# Altium PCB H616_PCB.PcbDoc (continued)
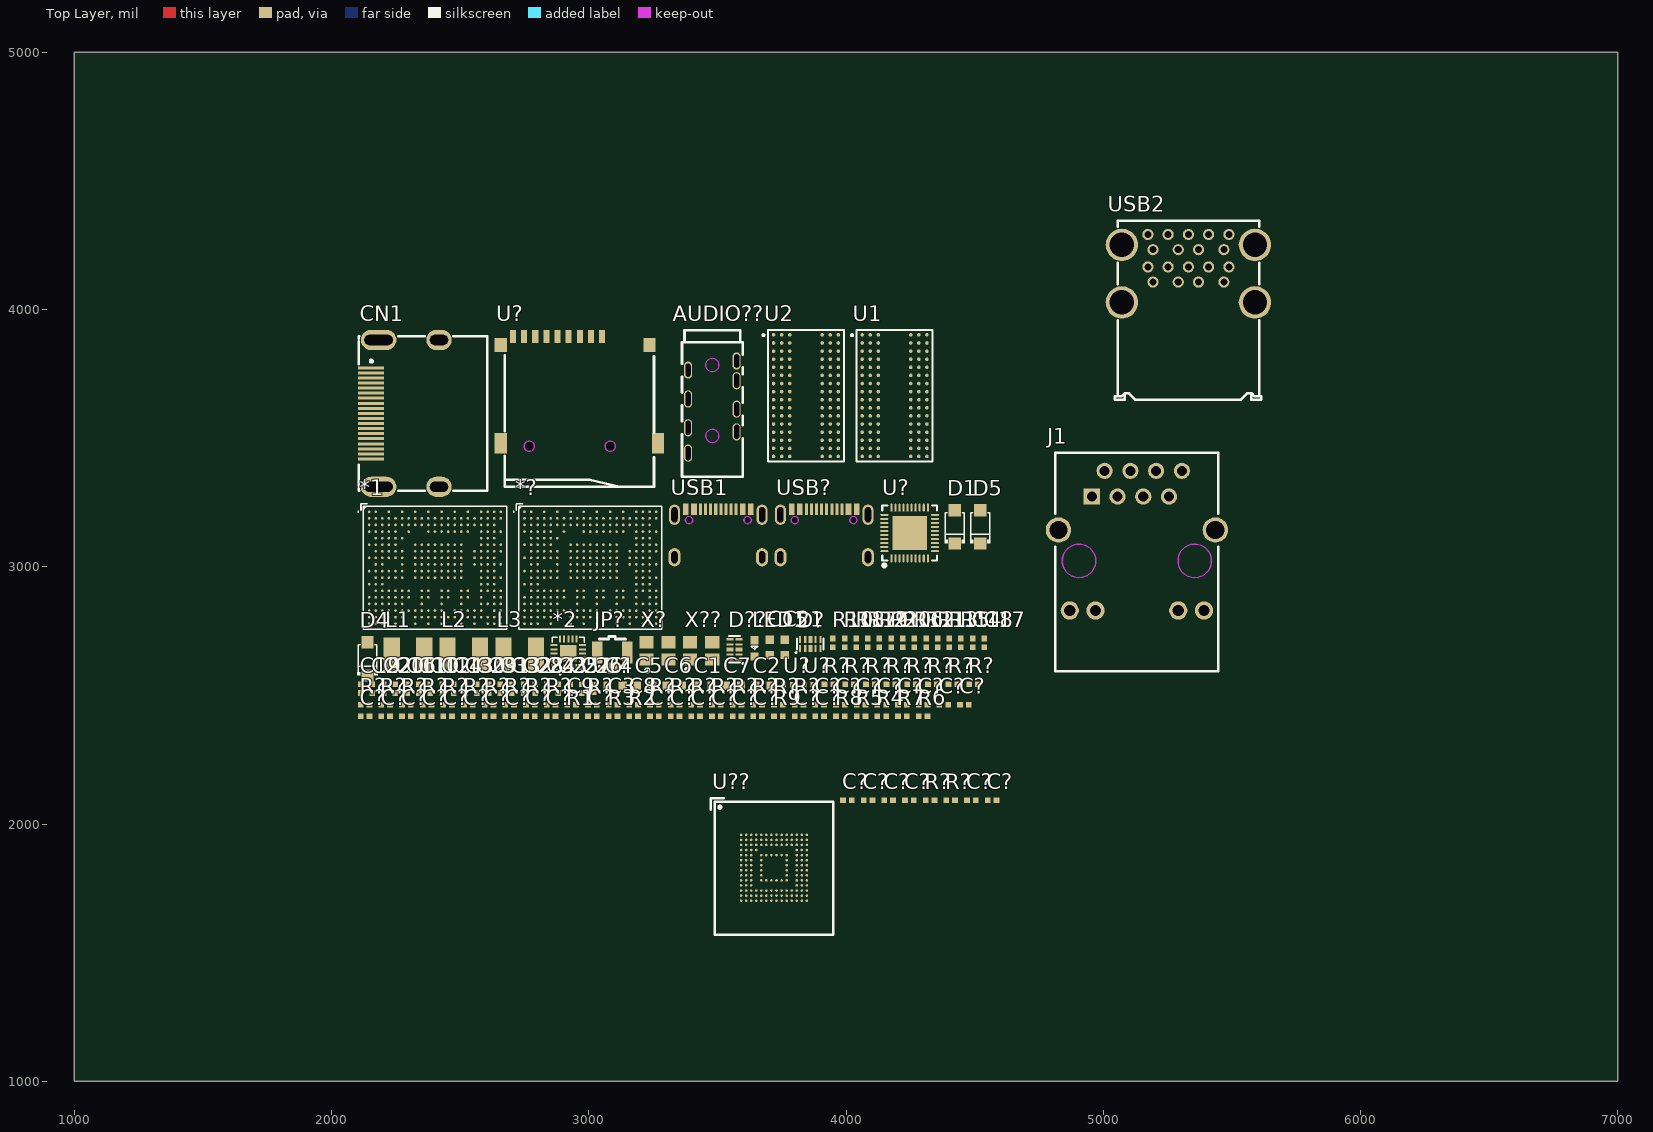
[diagram p0: Top Layer view]
## Footprints (in the part's own frame and the unit in brackets; to place one, negate y for a bottom-side part, rotate by r counter-clockwise, add the part's x,y. Pads: shape width x height; smd on the part's side, far side on the other; paste and mask are expansions set on the pad) (continued)
QFN-40_L5.0-W5.0-P0.40-BL-EP3.4 [mm]
  oval 0.2x0.8 smd paste+0 mask+0.05: 1(-1.8,-2.499) 2(-1.4,-2.499) 3(-1,-2.499) 4(-0.6,-2.499) 5(-0.2,-2.499) 6(0.2,-2.499) 7(0.6,-2.499) 8(1,-2.499) 9(1.4,-2.499) 10(1.8,-2.499) 21(1.8,2.499) 22(1.4,2.499) 23(1,2.499) 24(0.6,2.499) 25(0.2,2.499) 26(-0.2,2.499) 27(-0.6,2.499) 28(-1,2.499) 29(-1.4,2.499) 30(-1.8,2.499)
  oval 0.8x0.2 smd paste+0 mask+0.05: 11(2.499,-1.8) 12(2.499,-1.4) 13(2.499,-1) 14(2.499,-0.6) 15(2.499,-0.2) 16(2.499,0.2) 17(2.499,0.6) 18(2.499,1) 19(2.499,1.4) 20(2.499,1.8) 31(-2.499,1.8) 32(-2.499,1.4) 33(-2.499,1) 34(-2.499,0.6) 35(-2.499,0.2) 36(-2.499,-0.2) 37(-2.499,-0.6) 38(-2.499,-1) 39(-2.499,-1.4) 40(-2.499,-1.8)
  rect 3.4x3.4 smd paste+0 mask+0.05: 41(0,0)
  silkscreen extent -2.7,-3.35 2.7,2.7, body extent -2.54,-2.54 2.54,2.54, height 0.55
R0402 [mm]
  rect 0.566x0.54 smd paste-100 mask+0.051: 1(-0.433,0) 2(0.433,0)
  body extent -0.5,-0.25 0.5,0.25, height 0.35
RF-SMD_FRF05002-JSS103M [mm]
  rect 1x1.05 smd paste+0 mask+0.05: 1(0,-0.762)
  rect 1.05x2.2 smd paste+0 mask+0.05: 2(-1.475,0.762) 3(1.475,0.762)
  silkscreen extent -1.3,-0.63 1.3,2.35, body extent -1.49,-0.87 1.51,2.23, height 1.25
RJ45-TH_HR911105A [mm]
  rect 1.6x1.6 hole 1 paste-2539.97: 1(-4.45,4.355)
  round 1.6 hole 1 paste-2539.97: 2(-3.18,6.895) 3(-1.91,4.355) 4(-0.64,6.895) 5(0.63,4.355) 6(1.9,6.895) 7(3.17,4.355) 8(4.44,6.895)
  round 1.8 hole 1.1 paste-2539.97: 9(-6.625,-6.895) 10(-4.085,-6.895) 11(4.085,-6.895) 12(6.625,-6.895)
  round 2.5 hole 1.8 paste-2539.97: SH1(-7.745,1.055) SH2(7.745,1.055)
  Keep-Out Layer circle w0.003: c5.715,-1.995 r1.65
  Keep-Out Layer circle w0.003: c-5.715,-1.995 r1.65
  Keep-Out Layer region: 7.365,-1.995 7.365,-2.158 7.302,-2.476 7.177,-2.777 6.997,-3.047 6.767,-3.277 6.497,-3.457 6.196,-3.582 5.878,-3.645 5.552,-3.645 5.234,-3.582 4.933,-3.457 4.663,-3.277 4.433,-3.047 4.253,-2.777 4.128,-2.476 4.065,-2.158 4.065,-1.995 4.065,-1.833 4.128,-1.514 4.253,-1.213 4.433,-0.943 4.663,-0.713 4.933,-0.533 5.234,-0.408 5.552,-0.345 5.878,-0.345 6.196,-0.408 6.497,-0.533 6.767,-0.713 6.997,-0.943 7.177,-1.213 7.302,-1.514 7.365,-1.833 7.365,-1.995 7.365,-1.995
  Keep-Out Layer region: 7.365,-1.995 7.365,-2.158 7.302,-2.476 7.177,-2.777 6.997,-3.047 6.767,-3.277 6.497,-3.457 6.196,-3.582 5.878,-3.645 5.552,-3.645 5.234,-3.582 4.933,-3.457 4.663,-3.277 4.433,-3.047 4.253,-2.777 4.128,-2.476 4.065,-2.158 4.065,-1.995 4.065,-1.833 4.128,-1.514 4.253,-1.213 4.433,-0.943 4.663,-0.713 4.933,-0.533 5.234,-0.408 5.552,-0.345 5.878,-0.345 6.196,-0.408 6.497,-0.533 6.767,-0.713 6.997,-0.943 7.177,-1.213 7.302,-1.514 7.365,-1.833 7.365,-1.995 7.365,-1.995
  Keep-Out Layer region: -4.065,-1.995 -4.065,-2.158 -4.128,-2.476 -4.253,-2.777 -4.433,-3.047 -4.663,-3.277 -4.933,-3.457 -5.234,-3.582 -5.552,-3.645 -5.878,-3.645 -6.196,-3.582 -6.497,-3.457 -6.767,-3.277 -6.997,-3.047 -7.177,-2.777 -7.302,-2.476 -7.365,-2.158 -7.365,-1.995 -7.365,-1.833 -7.302,-1.514 -7.177,-1.213 -6.997,-0.943 -6.767,-0.713 -6.497,-0.533 -6.196,-0.408 -5.878,-0.345 -5.552,-0.345 -5.234,-0.408 -4.933,-0.533 -4.663,-0.713 -4.433,-0.943 -4.253,-1.213 -4.128,-1.514 -4.065,-1.833 -4.065,-1.995 -4.065,-1.995
  Keep-Out Layer region: -4.065,-1.995 -4.065,-2.158 -4.128,-2.476 -4.253,-2.777 -4.433,-3.047 -4.663,-3.277 -4.933,-3.457 -5.234,-3.582 -5.552,-3.645 -5.878,-3.645 -6.196,-3.582 -6.497,-3.457 -6.767,-3.277 -6.997,-3.047 -7.177,-2.777 -7.302,-2.476 -7.365,-2.158 -7.365,-1.995 -7.365,-1.833 -7.302,-1.514 -7.177,-1.213 -6.997,-0.943 -6.767,-0.713 -6.497,-0.533 -6.196,-0.408 -5.878,-0.345 -5.552,-0.345 -5.234,-0.408 -4.933,-0.533 -4.663,-0.713 -4.433,-0.943 -4.253,-1.213 -4.128,-1.514 -4.065,-1.833 -4.065,-1.995 -4.065,-1.995
  silkscreen extent -8.05,-12.92 8.05,8.68, body extent -8.04,-13.05 8,8.25, height 13.7
SLP2510P8_L2.5-W1.0-P0.50-BL [mm]
  rect 0.2x0.68 smd paste+0.051: 1(-1,-0.44) 2(-0.5,-0.44) 4(0.5,-0.44) 5(1,-0.44) 6(1,0.44) 7(0.5,0.44) 9(-0.5,0.44) 10(-1,0.44)
  rect 0.4x0.68 smd paste+0.051: 3(0,-0.44) 8(0,0.44)
  silkscreen extent -1.44,-0.88 1.3,0.55, body extent -1.25,-0.51 1.25,0.51, height 0.55
SOD-123FL_L2.7-W1.8-LS3.8-RD [mm]
  rect 1.2x1.2 smd paste+0.051: 1(-1.635,0) 2(1.635,0)
  silkscreen extent -1.6,-1 1.38,1, body extent -1.9,-0.9 1.9,0.9, height 1.02
TF-SMD_TF-01A [mm]
  rect 0.6x1.3 smd: 1(2.24,5.276) 2(1.14,5.276) 3(0.04,5.276) 4(-1.06,5.276) 5(-2.16,5.276) 6(-3.26,5.276) 7(-4.36,5.276) 8(-5.46,5.276) 9(-6.56,5.276)
  rect 1.2x1.4 smd: 10(-7.76,4.426) 13(6.92,4.426)
  rect 1.2x2 smd: 11(-7.76,-5.276) 12(7.76,-5.276)
  Keep-Out Layer board cut-out: -4.45,-5.566 -4.45,-5.666 -4.526,-5.849 -4.667,-5.99 -4.85,-6.066 -5.049,-6.066 -5.233,-5.99 -5.374,-5.849 -5.45,-5.666 -5.45,-5.566 -5.45,-5.467 -5.374,-5.283 -5.233,-5.142 -5.049,-5.066 -4.85,-5.066 -4.667,-5.142 -4.526,-5.283 -4.45,-5.467 -4.45,-5.566 -4.45,-5.566
  Keep-Out Layer board cut-out: 3.55,-5.566 3.55,-5.666 3.474,-5.849 3.333,-5.99 3.149,-6.066 2.951,-6.066 2.767,-5.99 2.626,-5.849 2.55,-5.666 2.55,-5.566 2.55,-5.467 2.626,-5.283 2.767,-5.142 2.951,-5.066 3.149,-5.066 3.333,-5.142 3.474,-5.283 3.55,-5.467 3.55,-5.566 3.55,-5.566
  Keep-Out Layer circle w0.025: c-4.95,-5.566 r0.5
  Keep-Out Layer circle w0.025: c3.05,-5.566 r0.5
  Keep-Out Layer region: -4.45,-5.566 -4.45,-5.666 -4.526,-5.849 -4.667,-5.99 -4.85,-6.066 -5.049,-6.066 -5.233,-5.99 -5.374,-5.849 -5.45,-5.666 -5.45,-5.566 -5.45,-5.467 -5.374,-5.283 -5.233,-5.142 -5.049,-5.066 -4.85,-5.066 -4.667,-5.142 -4.526,-5.283 -4.45,-5.467 -4.45,-5.566 -4.45,-5.566
  Keep-Out Layer region: 3.55,-5.566 3.55,-5.666 3.474,-5.849 3.333,-5.99 3.149,-6.066 2.951,-6.066 2.767,-5.99 2.626,-5.849 2.55,-5.666 2.55,-5.566 2.55,-5.467 2.626,-5.283 2.767,-5.142 2.951,-5.066 3.149,-5.066 3.333,-5.142 3.474,-5.283 3.55,-5.467 3.55,-5.566 3.55,-5.566
  silkscreen extent -7.37,-9.58 7.37,3.41, body extent -8,-9.78 7.97,5.71, height 1.92
TFBGA-96_L13.0-W7.5-R16-C6-P0.80-TL [mm]
  round 0.35 smd paste+0 mask+0.05: A1(-3.2,6) A2(-2.4,6) A3(-1.6,6) A7(1.6,6) A8(2.4,6) A9(3.2,6) B1(-3.2,5.2) B2(-2.4,5.2) B3(-1.6,5.2) B7(1.6,5.2) B8(2.4,5.2) B9(3.2,5.2) C1(-3.2,4.4) C2(-2.4,4.4) C3(-1.6,4.4) C7(1.6,4.4) C8(2.4,4.4) C9(3.2,4.4) D1(-3.2,3.6) D2(-2.4,3.6) D3(-1.6,3.6) D7(1.6,3.6) D8(2.4,3.6) D9(3.2,3.6) E1(-3.2,2.8) E2(-2.4,2.8) E3(-1.6,2.8) E7(1.6,2.8) E8(2.4,2.8) E9(3.2,2.8) F1(-3.2,2) F2(-2.4,2) F3(-1.6,2) F7(1.6,2) F8(2.4,2) F9(3.2,2) G1(-3.2,1.2) G2(-2.4,1.2) G3(-1.6,1.2) G7(1.6,1.2) G8(2.4,1.2) G9(3.2,1.2) H1(-3.2,0.4) H2(-2.4,0.4) H3(-1.6,0.4) H7(1.6,0.4) H8(2.4,0.4) H9(3.2,0.4) J1(-3.2,-0.4) J2(-2.4,-0.4) J3(-1.6,-0.4) J7(1.6,-0.4) J8(2.4,-0.4) J9(3.2,-0.4) K1(-3.2,-1.2) K2(-2.4,-1.2) K3(-1.6,-1.2) K7(1.6,-1.2) K8(2.4,-1.2) K9(3.2,-1.2) L1(-3.2,-2) L2(-2.4,-2) L3(-1.6,-2) L7(1.6,-2) L8(2.4,-2) L9(3.2,-2) M1(-3.2,-2.8) M2(-2.4,-2.8) M3(-1.6,-2.8) M7(1.6,-2.8) M8(2.4,-2.8) M9(3.2,-2.8) N1(-3.2,-3.6) N2(-2.4,-3.6) N3(-1.6,-3.6) N7(1.6,-3.6) N8(2.4,-3.6) N9(3.2,-3.6) P1(-3.2,-4.4) P2(-2.4,-4.4) P3(-1.6,-4.4) P7(1.6,-4.4) P8(2.4,-4.4) P9(3.2,-4.4) R1(-3.2,-5.2) R2(-2.4,-5.2) R3(-1.6,-5.2) R7(1.6,-5.2) R8(2.4,-5.2) R9(3.2,-5.2) T1(-3.2,-6) T2(-2.4,-6) T3(-1.6,-6) T7(1.6,-6) T8(2.4,-6) T9(3.2,-6)
  silkscreen extent -4.29,-6.5 3.75,6.5, body extent -3.68,-6.48 3.68,6.48, height 0.1
USB-A-TH_XUNPU_USB-303WSD-BRY [mm]
  round 1.1 hole 0.7 paste-2539.97 mask+0.05: 1(-3.5,-1.35) 2(-1,-1.35) 3(1,-1.35) 4(3.5,-1.35) 5(4,0.15) 6(2,0.15) 7(0,0.15) 8(-2,0.15) 9(-4,0.15) 10(-3.5,1.85) 11(-1,1.85) 12(1,1.85) 13(3.5,1.85) 14(4,3.35) 15(2,3.35) 16(0,3.35) 17(-2,3.35) 18(-4,3.35)
  round 3.2 hole 2.4 paste-2539.97 mask+0.05: 19(6.57,-3.35) 20(6.57,2.33) 21(-6.57,2.33) 22(-6.57,-3.35)
  silkscreen extent -7.26,-12.97 7.19,4.7, body extent -7.9,-12.93 7.7,4.57, height 15.96
USB-C-SMD_TYPE-C-6PIN-2MD-073 [mm]
  rect 0.55x1.1 smd paste-100 mask+0.05: 1(-3.2,3.391) 2(-2.4,3.391) 11(2.4,3.391) 12(3.2,3.391)
  rect 0.3x1.1 smd paste-100 mask+0.05: 3(-1.75,3.391) 4(-1.25,3.391) 5(-0.75,3.391) 6(-0.25,3.391) 7(0.25,3.391) 8(0.75,3.391) 9(1.25,3.391) 10(1.75,3.391)
  oval 1.2x1.8 hole 0.6 slot 1.2 at 90 deg paste-2539.97 mask+0.05: 13(-4.325,-1.359) 14(4.325,-1.359)
  oval 1.1x2 hole 0.6 slot 1.5 at 90 deg paste-2539.97 mask+0.05: 13(-4.325,2.841) 14(4.325,2.841)
  Keep-Out Layer board cut-out: 3.24,2.321 3.24,2.251 3.187,2.123 3.088,2.024 2.96,1.971 2.821,1.971 2.692,2.024 2.593,2.123 2.54,2.251 2.54,2.321 2.54,2.391 2.593,2.519 2.692,2.618 2.821,2.671 2.96,2.671 3.088,2.618 3.187,2.519 3.24,2.391 3.24,2.321 3.24,2.321
  Keep-Out Layer board cut-out: -2.54,2.321 -2.54,2.251 -2.593,2.123 -2.692,2.024 -2.82,1.971 -2.96,1.971 -3.088,2.024 -3.187,2.123 -3.24,2.251 -3.24,2.321 -3.24,2.391 -3.187,2.519 -3.088,2.618 -2.96,2.671 -2.82,2.671 -2.692,2.618 -2.593,2.519 -2.54,2.391 -2.54,2.321 -2.54,2.321
  Keep-Out Layer circle w0.025: c2.89,2.321 r0.35
  Keep-Out Layer circle w0.025: c-2.89,2.321 r0.35
  Keep-Out Layer region: 3.24,2.321 3.24,2.251 3.187,2.123 3.088,2.024 2.96,1.971 2.821,1.971 2.692,2.024 2.593,2.123 2.54,2.251 2.54,2.321 2.54,2.391 2.593,2.519 2.692,2.618 2.821,2.671 2.96,2.671 3.088,2.618 3.187,2.519 3.24,2.391 3.24,2.321 3.24,2.321
  Keep-Out Layer region: -2.54,2.321 -2.54,2.251 -2.593,2.123 -2.692,2.024 -2.82,1.971 -2.96,1.971 -3.088,2.024 -3.187,2.123 -3.24,2.251 -3.24,2.321 -3.24,2.391 -3.187,2.519 -3.088,2.618 -2.96,2.671 -2.82,2.671 -2.692,2.618 -2.593,2.519 -2.54,2.391 -2.54,2.321 -2.54,2.321
  body extent -4.48,-3.85 4.46,3.75, height 3.1

## Part data
*1 *?: "Allwinner H616", Symbol=H616-BGA-190823
*2: "AXP313A", Symbol=AXP1530
AUDIO??: "3.5mm耳机座", Symbol=PJ-3930-8A
C1 C2 C4 C5 C6 C7 C15 C21: "16V 22uF X5R ±20% 0603 Ceramic Capacitors ROHS"
C3 C? C?: "10V 4.7uF X5R ±20% 0402 Ceramic Capacitors ROHS"
C8 C? C? C? C? C? C? C? C? C? C? C?: "50V 1uF X5R ±10% 0402 Ceramic Capacitors ROHS"
C9 C10 C11 C12 C13 C14 C16 C17 C18 C19 C20 C22 C23 C24 C25 C26 C27 C28 C29 C30 C31 C32 C33 C? C? C? C?: "50V 100nF X7R ±10% 0402 Ceramic Capacitors ROHS"
C? C? C? C? C? C? C?: "50V 2.2uF NP0 0402 Ceramic Capacitors ROHS"
C? C?: "25V 470nF X5R ±10% 0402 Ceramic Capacitors ROHS"
C?: "16V 220nF X7R ±10% 0402 Ceramic Capacitors ROHS"
C? C? C? C?: "50V 22pF C0G ±5% 0402 Ceramic Capacitors ROHS"
C? C?: library part 100nF, "50V 100nF X7R ±10% 0402 Ceramic Capacitors ROHS"
CN1: "HDMI-A SMD USB, DVI, HDMI Connector Assemblies ROHS", Current Rating (Max)=-, JLCPCB Part Class="Extended Part", Manufacturer=kinghelm(金航标), Add into BOM=yes, Connector Type=HDMI-A, Convert to PCB=yes, Datasheet=https://atta.szlcsc.com/upload/public/pdf/source/20211208/D47DE7411E98B8CA58BDDFA754B04DEC.pdf, Device=KH-HDMI-19P-Cu, Gender=Mother, LCSC Part Name=KH-HDMI-19P-Cu, Manufacturer Part=KH-HDMI-19P-Cu, Mounting Style="Horizontal attachment", Number of Pins=19P, Operating Temperature Range=-, Rated Voltage (Max)=-, Supplier=LCSC, Supplier Footprint=SMD, Supplier Part=C709361, Symbol=KH-HDMI-19P-CU
D1 D4 D5: "电压:40V 电流:2A", Clamping Voltage=9.2V, JLCPCB Part Class="Extended Part", LCSC Part Name="耐压/V 5V-440V 峰值脉冲功率 400W", Manufacturer=Littelfuse(美国力特), Manufacturer Part=SMAJ5.0A, Operating Temperature=-65℃~+150℃, Peak Pulse Current (Ipp)=43.5A, Peak Pulse Power Dissipation (Ppp)=400W, Reverse Leakage Current (Ir)=800uA, Reverse Stand-Off Voltage (Vrwm)=5V, Voltage - Breakdown=6.4V, Add into BOM=yes, Convert to PCB=yes, Datasheet=https://item.szlcsc.com/datasheet/SMAJ5.0A/84493.html, Device=SMAJ5.0A_C83329, Polarity=Unidirectional, Supplier=LCSC, Supplier Footprint=DO-214AC(SMA), Supplier Part=C83329, Symbol=SMAJ5.0A-C83329, Type=TVS
D? D??: "ESD 5V截止 峰值浪涌电流：5A@8/20us", Symbol=RClamp0524PATCT
J1: "Ethernet 弯插 带LED", Symbol=HR911105A_C12074
JP?: library part U.FL-R-SMT-1(80)_C88374, JLCPCB Part Class="Extended Part", LCSC Part Name="IPEX 内针", Manufacturer=HRS(广濑), Manufacturer Part=U.FL-R-SMT-1(80), Operating Temperature Range=-40℃~+90℃, Add into BOM=yes, Connector Type="Board Side", Convert to PCB=yes, Datasheet=https://item.szlcsc.com/datasheet/U.FL-R-SMT-1(80)/89553.html, Device=U.FL-R-SMT-1(80)_C88374, Impedance=50Ω, Interface="Male Pin", Interface Diameter=2mm, Interface Length/Height=1.25mm, Number of Ports=1, RF Series=IPEX, Style=-, Supplier=LCSC, Supplier Footprint=SMD, Supplier Part=C88374, Symbol=U.FL-R-SMT-1(80)
L1 L2 L3: library part SLW4030S1R0NST, "4.15A 1uH ±30% 18mΩ SMD,4x4mm Fixed Inductors ROHS", Current Rating=4.15A, DC Resistance(DCR)=18mΩ, JLCPCB Part Class="Extended Part", LCSC Part Name="1uH ±30%", Manufacturer=Sunltech(顺磁), Tolerance=±30%, Add into BOM=yes, Convert to PCB=yes, Datasheet=https://item.szlcsc.com/datasheet/SLW4030S1R0NST/207399.html, Device=SLW4030S1R0NST, Manufacturer Part=SLW4030S1R0NST, Supplier=LCSC, Supplier Footprint=SMD,4x4mm, Supplier Part=C206354, Symbol=SLW4030S1R0NST
LED1: "30mA 2.6V~3.2V Blue 0603 LED Indication - Discrete ROHS"
R1 R14 R17 R20: "100Ω 62.5mW 50V ±100ppm/℃ Thick Film Resistor ±1% 0402 Chip Resistor - Surface Mount ROHS"
R2 R3 R4 R5 R6: "240Ω 62.5mW 50V ±100ppm/℃ Thick Film Resistor ±1% 0402 Chip Resistor - Surface Mount ROHS"
R7 R8 R? R?: "5.1kΩ 62.5mW 50V ±100ppm/℃ Thick Film Resistor ±1% 0402 Chip Resistor - Surface Mount ROHS"
R9 R12 R19 R21 R?: "62.5mW 10kΩ 50V ±100ppm/℃ Thick Film Resistor ±1% 0402 Chip Resistor - Surface Mount ROHS"
R10 R11 R13: "100mW 2kΩ 75V ±100ppm/℃ Thick Film Resistor ±1% 0402 Chip Resistor - Surface Mount ROHS"
R15 R? R? R? R? R? R? R? R? R? R? R?: "小尺寸、重量轻。降低组装成本,与贴片机匹配。适用于波峰焊和回流焊"
R16: "510Ω 62.5mW 50V ±100ppm/℃ Thick Film Resistor ±1% 0402 Chip Resistor - Surface Mount ROHS"
R18: "100kΩ 62.5mW 50V ±100ppm/℃ Thick Film Resistor ±1% 0402 Chip Resistor - Surface Mount ROHS"
R? R?: "62.5mW 33Ω 50V ±100ppm/℃ Thick Film Resistor ±1% 0402 Chip Resistor - Surface Mount ROHS"
R? R?: "0Ω 62.5mW 50V Thick Film Resistor ±1% 0402 Chip Resistor - Surface Mount ROHS"
R?: "6.04kΩ 62.5mW 50V ±100ppm/℃ Thick Film Resistor ±1% 0402 Chip Resistor - Surface Mount ROHS"
R?: "62.5mW 150kΩ 50V ±100ppm/℃ Thick Film Resistor ±1% 0402 Chip Resistor - Surface Mount ROHS"
R? R? R? R? R? R? R? R?: "62.5mW 47kΩ 50V ±100ppm/℃ Thick Film Resistor ±1% 0402 Chip Resistor - Surface Mount ROHS"
R?: "10Ω 62.5mW 50V ±200ppm/℃ Thick Film Resistor ±1% 0402 Chip Resistor - Surface Mount ROHS"
U1 U2: "4Gb DDR3 同步动态随机存取存储器", Symbol=H5TQ4G63EFR-RDC
U? U? U??: library part ESD5451N_C5261080, "9A 9.8V 8V Bidirectional 5V DFN1006-2L TVS Diodes ROHS", Clamping Voltage=9.8V, JLCPCB Part Class="Extended Part", Junction Capacitance=15pF, LCSC Part Name="5V 15pF 双向", Manufacturer="HXY MOSFET(华轩阳电子)", Peak Pulse Current (Ipp)=9A, Reverse Leakage Current (Ir)=500nA, Reverse Stand-Off Voltage (Vrwm)=5V, Voltage - Breakdown=8V, Add into BOM=yes, Convert to PCB=yes, Datasheet=https://item.szlcsc.com/datasheet/ESD5451N/5983779.html, Device=ESD5451N_C5261080, level of protection="IEC 61000-4-2", Manufacturer Part=ESD5451N, Number of Channels=1.0, Polarity=Bidirectional, Supplier=LCSC, Supplier Footprint=DFN1006-2L, Supplier Part=C5261080, Symbol=ESD5451N_C5261080, Type=ESD
U?: "Push-Push 1.85mm Connector and Ejector MicroSD Card (TF Card) SMD PC Card Sockets ROHS"
U?: "2.4GHz WiFi and Bluetooth chips", Symbol=XR829_1
U??: library part KLM8G1GETF-B041_1, "8GB 2.7V~3.6V eMMC 5.1 330/50 MB/s FBGA-153(11.5x13) Memory (ICs) ROHS", Controller Operating Voltage (VCCQ)=2.7V~3.6V；1.7V~1.95V, JLCPCB Part Class="Extended Part", Manufacturer=SAMSUNG(三星半导体), NAND Operating Voltage (VCCF)=2.7V~3.6V, Operating Temperature=-25℃~+85℃, Add into BOM=yes, configuration=-, Convert to PCB=yes, Datasheet=https://item.szlcsc.com/datasheet/KLM8G1GETF-B041/512098.html, Device=KLM8G1GETF-B041, Interface="eMMC 5.1", LCSC Part Name=KLM8G1GETF-B041, Manufacturer Part=KLM8G1GETF-B041, Memory Size=8GB, Random Read/Write (IOPS)=-, Reading Speed in Sequence=330MB/S, Sequential Read/Write (MB/s)="330/50 MB/s", Supplier=LCSC, Supplier Footprint=FBGA-153(11.5x13), Supplier Part=C499918, Symbol=KLM8G1GETF-B041, Voltage - Supply=2.7V~3.6V, Writing Speed in Sequence=50MB/S
USB1 USB?: "16pin type-c"
USB2: "USB 3.0 2 9Px2 -30℃~+85℃ Type-A Through Hole,Right Angle USB, DVI, HDMI Connector Assemblies ROHS", Current Rating-Power=1.8A, Detection color=Blue, JLCPCB Part Class="Extended Part", LCSC Part Name="Type-A 母 弯插", Manufacturer=XUNPU(讯普), Operating Temperature=-30℃~+85℃, Voltage Rating=30V, Add into BOM=yes, Connector Type=Type-A, Convert to PCB=yes, Datasheet=https://item.szlcsc.com/datasheet/USB-303WSD-BRY/3132965.html, Device=USB-303WSD-BRY, Gender=Female, Length=-, Manufacturer Part=USB-303WSD-BRY, Mounting Type="Right Angle", Number of Contacts=9Px2, Number of Ports=2, Protocol Standard="USB 3.0", Supplier=LCSC, Supplier Footprint=插件, Supplier Part=C2895028, Symbol=USB-303WSD-BRY
X?: library part X322540MPB4SI, "Crystal Oscillator 15pF SMD3225-4P Crystals ROHS"
X??: library part X322524MOB4SI, "Crystal Oscillator 12pF SMD3225-4P Crystals ROHS", Frequency Stability=±20ppm, JLCPCB Part Class="Extended Part", LCSC Part Name="YSX321SL 24MHZ 4P 3225 12PF ±10PPM -40~85℃ (±20PPM)", Load Capacitance=12pF, Manufacturer=YXC(扬兴晶振), Normal temperature Frequency Tolerance=±10ppm, Operating Temperature=-40℃~+85℃, Add into BOM=yes, Convert to PCB=yes, Datasheet=https://item.szlcsc.com/datasheet/X322524MOB4SI/71688.html, Device=X322524MOB4SI, Manufacturer Part=X322524MOB4SI, Supplier=LCSC, Supplier Footprint=SMD3225-4P, Supplier Part=C70590, Symbol=X322524MOB4SI, Type="Surface Mount Crystal"

## Nets (pads, with @x,y where several pads share a name; then routed paths per layer and width w, separated by ;. In a path a pad name is that pad's centre, name@x,y a point inside that pad or via, vN(x,y) a via of type N, cw(c..) or ccw(c..) an arc to the next point about the centre after c; other vN are vias at no path point)
AP_REG_ON: *?.C9 U?.35
BT_RTSN: *?.C10
D0_N: R?.2@2870.36,2463.49 USB1.5 USB1.7
D0_P: R?.2@3352.47,2463.49 USB1.6 USB1.8
D1_N: R?.2@3673.86,2463.49 USB2.2
D1_P: R?.2@3031.07,2463.49 USB2.3
D2_N: R?.2@4513.3,2543.84 USB2.11
D2_P: R?.2@3754.22,2463.49 USB2.12
D3_N: R?.2@2790.01,2463.49 USB?.5 USB?.7
D3_P: R?.2@4272.25,2543.84 USB?.6 USB?.8
EPHY_RX_N: *1.B21 J1.6
EPHY_RX_P: *1.B20 J1.3
EPHY_TX_N: *1.A20 J1.2
EPHY_TX_P: *1.A19 J1.1
FEL: *1.B17
GND: *1.A1 *1.A10 *1.A18 *1.A21 *1.B6 *1.B16 *1.D19 *1.F14 *1.F15 *1.G13 *1.G14 *1.G15 *1.H10 *1.H11 *1.H12 *1.H13 *1.H14 *1.H15 *1.H19 *1.J12 *1.J13 *1.J14 *1.J15 *1.K8 *1.K9 *1.K10 *1.K11 *1.K12 *1.K13 *1.K14 *1.K15 *1.L21 *1.M1 *1.M2 *1.M3 *1.N6 *1.N9 *1.N12 *1.N15 *1.N18 *1.P3 *1.R5 *1.R21 *1.T1 *1.T3 *1.T8 *1.T10 *1.T15 *1.T17 *1.U6 *1.U13 *1.V1 *1.V5 *1.V12 *1.V19 *1.V21 *2.9 *2.21 AUDIO??.1 AUDIO??.8 C1.2 C2.2 C3.1 C4.2 C5.2 C6.2 C7.2 C8.1 C9.1 C10.1 C11.1 C12.1 C13.1 C14.1 C15.1 C16.1 C17.1 C18.1 C19.1 C20.1 C21.1 C22.1 C23.1 C24.1 C25.1 C26.1 C27.1 C28.1 C29.1 C30.1 C31.1 C32.1 C33.1 C?.1@2113.14,2418.23 C?.1@2193.49,2418.23 C?.1@2273.84,2418.23 C?.1@2595.24,2418.23 C?.1@2675.59,2418.23 C?.1@2755.93,2418.23 C?.1@2836.28,2418.23 C?.1@2996.99,2418.23 C?.1@3238.03,2418.23 C?.1@3479.09,2418.23 C?.1@3559.43,2418.23 C?.1@3639.78,2418.23 C?.1@3880.84,2463.49 C?.1@3961.18,2463.49 C?.1@3988.18,2092.37 C?.1@4041.53,2463.49 C?.1@4068.53,2092.37 C?.1@4121.89,2463.49 C?.1@4148.88,2092.37 C?.1@4202.23,2463.49 C?.1@4229.23,2092.37 C?.1@4282.59,2463.49 C?.1@4470.28,2092.37 C?.1@4550.63,2092.37 C?.2@2388.26,2418.23 C?.2@2468.61,2418.23 C?.2@2548.97,2418.23 C?.2@3834.57,2418.23 C?.2@4477.36,2463.49 CN1.2 CN1.5 CN1.8 CN1.11 CN1.20 CN1.21 CN1.22 CN1.23 D?.3 D?.8 D??.3 D??.8 J1.8 JP?.2 JP?.3 LED1.1 R2.1 R3.1 R4.1 R5.1 R6.1 R7.2 R8.2 R18.2 R?.1@2675.59,2463.49 R?.1@3398.74,2463.49 R?.1@3479.09,2463.49 R?.2@2629.32,2463.49 R?.2@3272.11,2463.49 R?.2@3593.51,2463.49 R?.2@4424.01,2092.37 U1.A9 U1.B1 U1.B3 U1.B9 U1.D1 U1.D8 U1.E1 U1.E2 U1.E8 U1.F9 U1.G1 U1.G8 U1.G9 U1.J2 U1.J8 U1.M1 U1.M9 U1.P1 U1.P9 U1.T1 U1.T9 U2.A9 U2.B1 U2.B3 U2.B9 U2.D1 U2.D8 U2.E1 U2.E2 U2.E8 U2.F9 U2.G1 U2.G8 U2.G9 U2.J2 U2.J8 U2.M1 U2.M9 U2.P1 U2.P9 U2.T1 U2.T9 U?.1@3758.14,2541.64 U?.1@3837.32,2541.64 U?.6@2835.25,3895.41 U?.10@2658.09,3861.93 U?.11@2658.09,3479.97 U?.12@3269.11,3479.97 U?.13@3236.04,3861.93 U?.19 U?.41 U??.1 U??.A6 U??.C4 U??.E7 U??.G5 U??.H10 U??.J5 U??.K8 U??.N2 U??.N5 U??.P4 U??.P6 USB1.1 USB1.12 USB1.13 USB1.14 USB2.4 USB2.7 USB2.13 USB2.16 USB2.19 USB2.20 USB2.21 USB2.22 USB?.1 USB?.12 USB?.13 USB?.14 X?.2 X?.4 X??.2 X??.4
HCEC: *1.G17 R14.1
HDCEC: CN1.13 R14.2 R15.2
HDHPD: CN1.19 R16.2
HDMI0_N: *1.E20 CN1.9 D?.2 D?.9
HDMI0_P: *1.E19 CN1.7 D?.1 D?.10
HDMI1_N: *1.D21 CN1.6 D??.5 D??.6
HDMI1_P: *1.D20 CN1.4 D??.4 D??.7
HDMI2_N: *1.C20 CN1.3 D??.2 D??.9
HDMI2_P: *1.C19 CN1.1 D??.1 D??.10
HDMI_5V: CN1.18 D4.1 R19.1 R21.1
HDMIC_N: *1.F21 CN1.12 D?.5 D?.6
HDMIC_P: *1.F20 CN1.10 D?.4 D?.7
HDSCL: CN1.15 R17.2 R19.2
HDSDA: CN1.16 R20.2 R21.2
HHPD: *1.G18 R16.1 R18.1
HSCL: *1.F19 R17.1
HSDA: *1.G21 R20.1
HXIN: *1.B11 C?.1@3800.49,2418.23 X??.3
HXOUT: *1.C12 C?.2@3031.07,2418.23 X??.1
LL: *1.G19 C?.1@4362.94,2463.49 R?.2@2307.91,2463.49
LPCLK: *?.C8
LR: *1.G20 C?.1@3398.74,2418.23 R?.2@2709.66,2463.49
Net*1_B19: *1.B19 R?.1@3238.03,2463.49
Net*1_C17: *1.C17 C?.2@3673.86,2418.23
Net*1_D13: *1.D13 C?.2@3593.51,2418.23
Net*1_D18: *1.D18 C?.2@4316.66,2463.49
Net*1_H18: *1.H18 C?.1@3318.39,2418.23 C?.1@3880.84,2418.23 R?.1@4318.52,2543.84 R?.2@3513.16,2463.49
Net*1_J17: *1.J17 C?.2@3352.47,2418.23
Net*1_J18: *1.J18 C?.2@3914.91,2418.23
Net*1_J19: *1.J19 R?.1@3318.39,2463.49
Net*1_J20: *1.J20 R?.1@2836.28,2463.49
Net*1_K18: *1.K18 R?.2@4352.6,2543.84
Net*1_K19: *1.K19 R?.1@3720.14,2463.49
Net*1_K20: *1.K20 R?.1@4479.22,2543.84
Net*1_L15: *1.L15 R6.2
Net*1_L19: *1.L19 R?.1@4238.17,2543.84
Net*1_L20: *1.L20 R?.1@2755.93,2463.49
Net*1_M19: *1.M19 R?.1@2996.99,2463.49
Net*1_M20: *1.M20 R?.1@3639.78,2463.49
Net*2_3: *2.3 L3.1
Net*2_7: *2.7 C3.2
Net*2_8: *2.8 C8.2
Net*2_18: *2.18 L1.1
Net*2_19: *2.19 L2.1
Net*?_A6: *?.A6 R?.2@2548.97,2463.49
Net*?_D2: *?.D2 R?.1@4389.93,2092.37
Net*?_D3: *?.D3 R?.2@4343.66,2092.37
NetAUDIO??_2: AUDIO??.2 AUDIO??.5 C?.2@4397.02,2463.49 U??.2
NetAUDIO??_3: AUDIO??.3 AUDIO??.6 C?.2@3432.82,2418.23 U?.2@3870.78,2541.64
NetC32_2: C32.2 J1.5
NetC33_2: C33.2 J1.4
NetC?_1: C?.1@2434.53,2418.23 R?.1@2193.49,2463.49 U?.40
NetC?_2: C?.2@4236.31,2463.49 U?.26
NetD5_1: D5.1 R15.1
NetLED1_2: LED1.2 R12.1
NetR2_2: R2.2 U1.L8
NetR3_2: R3.2 U1.L9
NetR4_2: R4.2 U2.L8
NetR5_2: R5.2 U2.L9
NetR7_1: R7.1 USB1.4
NetR8_1: R8.1 USB1.10
NetR?_1: R?.1@2595.24,2463.49 USB?.10
NetR?_2: R?.2@4031.2,2543.84 U?.6@4255.05,3032.87
PMU_IRQ: *2.11 *?.C1 R13.1
PMU_RST: C9.2 R9.1
PMU_SCK: *2.6 *?.C18 R11.1
PMU_SDA: *2.5 *?.B18 R10.1
RESET: *1.A16 *2.13
SA0: *1.P18 U1.N3 U2.N3
SA1: *1.R15 U1.P7 U2.P7
SA2: *1.T18 U1.P3 U2.P3
SA3: *1.R19 U1.N2 U2.N2
SA4: *1.U16 U1.P8 U2.P8
SA5: *1.R20 U1.P2 U2.P2
SA6: *1.N13 U1.R8 U2.R8
SA7: *1.T21 U1.R2 U2.R2
SA8: *1.V17 U1.T8 U2.T8
SA9: *1.T20 U1.R3 U2.R3
SA10: *1.U19 U1.L7 U2.L7
SA11: *1.U17 U1.R7 U2.R7
SA12: *1.P16 U1.N7 U2.N7
SA13: *1.R18 U1.T3 U2.T3
SA14: *1.P15 U1.T7 U2.T7
SA15: *1.U18 U1.M7 U2.M7
SBA0: *1.P20 U1.M2 U2.M2
SBA1: *1.U15 U1.N8 U2.N8
SBA2: *1.U20 U1.M3 U2.M3
SCAS: *1.N16 U1.K3 U2.K3
SCK_N: *1.U14 R1.1 U1.K7 U2.K7
SCK_P: *1.T14 R1.2 U1.J7 U2.J7
SCKE0: *1.V15 U1.K9 U2.K9
SCKE1: *1.P13 U1.J9 U2.J9
SCS0: *1.P21 U1.L2 U2.L2
SCS1: *1.N19 U1.L1 U2.L1
SDC0_CLK: *?.K1 R?.1@4157.82,2543.84
SDC0_CMD: *?.K3 U?.3@2965.17,3895.41
SDC0_D0: *?.J3 U?.7@2791.94,3895.41
SDC0_D1: *?.J2 U?.8@2748.64,3895.41
SDC0_D2: *?.L3 U?.1@3051.79,3895.41
SDC0_D3: *?.L2 U?.2@3008.48,3895.41
SDC0_DET: *?.K2 U?.9@2705.33,3895.39
SDC1_CLK: R?.1@2514.89,2463.49 U?.16
SDC1_CMD: *?.C7 R?.2@3950.85,2543.84 U?.12@4345.58,3076.15
SDC1_D0: *?.C6 R?.2@4432.95,2543.84 U?.13@4345.58,3091.9
SDC1_D1: *?.B5 R?.2@2468.61,2463.49 U?.14
SDC1_D2: *?.C5 R?.2@3834.57,2463.49 U?.17
SDC1_D3: *?.B7 R?.2@4111.55,2543.84 U?.15
SDC2_CLK: R?.1@4309.58,2092.37 U??.M6
SDC2_CMD: *?.E2 U??.M5
SDC2_D0: *?.F2 U??.A3
SDC2_D1: *?.G3 U??.A4
SDC2_D2: *?.H2 U??.A5
SDC2_D3: *?.E3 U??.B2
SDC2_D4: *?.F1 U??.B3
SDC2_D5: *?.F3 U??.B4
SDC2_D6: *?.H1 U??.B5
SDC2_D7: *?.H3 U??.B6
SDC2_DS: *?.B1 U??.H5
SDC2_RST: *?.C2 U??.K5
SDQ0: *1.N3 U2.A2
SDQ1: *1.U4 U2.D7
SDQ2: *1.N2 U2.A3
SDQ3: *1.T4 U2.C8
SDQ4: *1.U3 U2.B8
SDQ5: *1.P1 U2.C2
SDQ6: *1.T2 U2.A7
SDQ7: *1.P2 U2.C3
SDQ8: *1.P5 U2.E3
SDQ9: *1.V3 U2.F7
SDQ10: *1.P4 U2.H3
SDQ11: *1.R4 U2.F8
SDQ12: *1.R6 U2.H8
SDQ13: *1.N4 U2.F2
SDQ14: *1.P6 U2.H7
SDQ15: *1.N5 U2.G2
SDQ16: *1.T11 U1.B8
SDQ17: *1.U12 U1.C8
SDQ18: *1.T12 U1.D7
SDQ19: *1.U9 U1.A7
SDQ20: *1.T6 U1.A3
SDQ21: *1.U5 U1.A2
SDQ22: *1.T7 U1.C3
SDQ23: *1.T5 U1.C2
SDQ24: *1.R9 U1.E3
SDQ25: *1.P7 U1.F2
SDQ26: *1.N7 U1.G2
SDQ27: *1.P9 U1.H3
SDQ28: *1.P10 U1.F7
SDQ29: *1.U11 U1.F8
SDQ30: *1.P12 U1.H8
SDQ31: *1.R12 U1.H7
SDQM0: *1.U1 U2.D3
SDQM1: *1.R3 U2.E7
SDQM2: *1.T9 U1.D3
SDQM3: *1.N10 U1.E7
SDQS0_N: *1.R1 U2.B7
SDQS0_P: *1.R2 U2.C7
SDQS1_N: *1.V2 U2.G3
SDQS1_P: *1.U2 U2.F3
SDQS2_N: *1.U8 U1.B7
SDQS2_P: *1.V8 U1.C7
SDQS3_N: *1.U10 U1.G3
SDQS3_P: *1.V10 U1.F3
SODT0: *1.N20 *1.N21 U1.K1 U2.K1
SODT1: U1.J1 U2.J1
SRAS: *1.T16 U1.J3 U2.J3
SRST: *1.U21 U1.T2 U2.T2
SVREF: U1.H1 U1.M8 U2.H1 U2.M8
SWE: *1.V20 U1.L3 U2.L3
TV_OUT: *1.J21 AUDIO??.4 AUDIO??.7 R?.2@3432.82,2463.49 U?.2@3791.6,2541.64
UART1_CTS: *?.B3 U?.7@4270.8,3032.87
UART1_RTS: *?.C4 U?.8@4286.55,3032.87
UART1_RX: *?.B4 U?.10@4318.05,3032.87
UART1_TX: *?.A4 U?.9@4302.3,3032.87
VBUS: D1.2 USB1.2 USB1.11
VCC_5V: *2.2 *2.17 *2.20 C1.1 C4.1 C6.1 D1.1 D4.2 USB2.1 USB2.10 USB?.2 USB?.11
VCC_DRAM: *1.L9 *1.L10 *1.L11 *1.L12 *1.L13 *2.4 C7.1 C21.2 C22.2 C23.2 C24.2 C25.2 C26.2 C27.2 C28.2 C29.2 C30.2 C31.2 L3.2 U1.A1 U1.A8 U1.B2 U1.C1 U1.C9 U1.D2 U1.D9 U1.E9 U1.F1 U1.G7 U1.H2 U1.H9 U1.K2 U1.K8 U1.N1 U1.N9 U1.R1 U1.R9 U2.A1 U2.A8 U2.B2 U2.C1 U2.C9 U2.D2 U2.D9 U2.E9 U2.F1 U2.G7 U2.H2 U2.H9 U2.K2 U2.K8 U2.N1 U2.N9 U2.R1 U2.R9
VDD_1V8: *1.D11 *1.D12 *1.F18 *1.H17 *1.H20 *1.L14 *2.15 C10.2 C11.2 C12.2 C?.2@2147.22,2418.23 R9.2 R10.2 R11.2 R13.2
VDD_3V3: *1.D10 *1.E18 *1.M18 *2.12 *?.D7 *?.F5 *?.J6 C17.2 C18.2 C19.2 C20.2 C?.2@2227.57,2418.23 C?.2@3513.16,2418.23 C?.2@3995.26,2463.49 C?.2@4022.26,2092.37 C?.2@4075.61,2463.49 C?.2@4102.61,2092.37 C?.2@4182.96,2092.37 C?.2@4263.31,2092.37 D5.2 R12.2 R?.1@2113.14,2463.49 R?.1@2354.18,2463.49 R?.1@2434.53,2463.49 R?.1@3800.49,2463.49 R?.1@3916.77,2543.84 R?.1@3997.12,2543.84 R?.1@4077.47,2543.84 R?.1@4398.87,2543.84 U?.4@2921.86,3895.41 U?.11@4345.58,3060.4 U?.25 U?.30 U?.37 U??.C6 U??.E6 U??.F5 U??.J10 U??.K9 U??.M4 U??.N4 U??.P3 U??.P5
VDD_CPU: *1.H8 *1.H9 *1.J8 *1.J9 *1.J10 *1.J11 *2.1 C5.1 C15.2 C16.2 L2.2
VDD_GPU: *1.F8 *1.F9 *1.F10 *1.F11 *1.F12 *1.F13 *1.G8 *1.G9 *1.G10 *1.G11 *1.G12 *2.16 C2.1 C13.2 C14.2 L1.2
WHXI: C?.1@2514.89,2418.23 U?.4@4223.56,3032.87 X?.3
WHXO: C?.2@3914.91,2463.49 U?.3@4207.81,3032.87 X?.1
WL_REG_ON: *?.B10 U?.24
pads on no net: *1.A2 *1.A4 *1.A6 *1.A8 *1.A12 *1.A14 *1.B1 *1.B2 *1.B3 *1.B4 *1.B5 *1.B7 *1.B8 *1.B9 *1.B10 *1.B12 *1.B13 *1.B14 *1.B15 *1.B18 *1.C1 *1.C2 *1.C3 *1.C4 *1.C5 *1.C6 *1.C7 *1.C8 *1.C9 *1.C10 *1.C11 *1.C13 *1.C14 *1.C15 *1.C16 *1.C18 *1.D1 *1.D2 *1.D3 *1.D4 *1.D5 *1.D7 *1.D14 *1.D15 *1.D16 *1.E2 *1.E3 *1.E4 *1.E5 *1.E6 *1.F1 *1.F2 *1.F3 *1.F4 *1.F5 *1.G2 *1.G3 *1.G4 *1.G5 *1.G6 *1.H1 *1.H2 *1.H3 *1.H4 *1.H5 *1.H6 *1.J2 *1.J3 *1.J6 *1.K1 *1.K2 *1.K3 *1.K4 *1.K5 *1.K6 *1.L2 *1.L3 *1.L4 *1.L5 *1.L6 *1.L8 *1.L18 *2.10 *2.14 *?.A1 *?.A2 *?.A8 *?.A10 *?.A12 *?.A14 *?.A16 *?.A18 *?.A19 *?.A20 *?.A21 *?.B2 *?.B6 *?.B8 *?.B9 *?.B11 *?.B12 *?.B13 *?.B14 *?.B15 *?.B16 *?.B17 *?.B19 *?.B20 *?.B21 *?.C3 *?.C11 *?.C12 *?.C13 *?.C14 *?.C15 *?.C16 *?.C17 *?.C19 *?.C20 *?.D1 *?.D4 *?.D5 *?.D10 *?.D11 *?.D12 *?.D13 *?.D14 *?.D15 *?.D16 *?.D18 *?.D19 *?.D20 *?.D21 *?.E4 *?.E5 *?.E6 *?.E18 *?.E19 *?.E20 *?.F4 *?.F8 *?.F9 *?.F10 *?.F11 *?.F12 *?.F13 *?.F14 *?.F15 *?.F18 *?.F19 *?.F20 *?.F21 *?.G2 *?.G4 *?.G5 *?.G6 *?.G8 *?.G9 *?.G10 *?.G11 *?.G12 *?.G13 *?.G14 *?.G15 *?.G17 *?.G18 *?.G19 *?.G20 *?.G21 *?.H4 *?.H5 *?.H6 *?.H8 *?.H9 *?.H10 *?.H11 *?.H12 *?.H13 *?.H14 *?.H15 *?.H17 *?.H18 *?.H19 *?.H20 *?.J8 *?.J9 *?.J10 *?.J11 *?.J12 *?.J13 *?.J14 *?.J15 *?.J17 *?.J18 *?.J19 *?.J20 *?.J21 *?.K4 *?.K5 *?.K6 *?.K8 *?.K9 *?.K10 *?.K11 *?.K12 *?.K13 *?.K14 *?.K15 *?.K18 *?.K19 *?.K20 *?.L4 *?.L5 *?.L6 *?.L8 *?.L9 *?.L10 *?.L11 *?.L12 *?.L13 *?.L14 *?.L15 *?.L18 *?.L19 *?.L20 *?.L21 *?.M1 *?.M2 *?.M3 *?.M18 *?.M19 *?.M20 *?.N2 *?.N3 *?.N4 *?.N5 *?.N6 *?.N7 *?.N9 *?.N10 *?.N12 *?.N13 *?.N15 *?.N16 *?.N18 *?.N19 *?.N20 *?.N21 *?.P1 *?.P2 *?.P3 *?.P4 *?.P5 *?.P6 *?.P7 *?.P9 *?.P10 *?.P12 *?.P13 *?.P15 *?.P16 *?.P18 *?.P20 *?.P21 *?.R1 *?.R2 *?.R3 *?.R4 *?.R5 *?.R6 *?.R9 *?.R12 *?.R15 *?.R18 *?.R19 *?.R20 *?.R21 *?.T1 *?.T2 *?.T3 *?.T4 *?.T5 *?.T6 *?.T7 *?.T8 *?.T9 *?.T10 *?.T11 *?.T12 *?.T14 *?.T15 *?.T16 *?.T17 *?.T18 *?.T20 *?.T21 *?.U1 *?.U2 *?.U3 *?.U4 *?.U5 *?.U6 *?.U8 *?.U9 *?.U10 *?.U11 *?.U12 *?.U13 *?.U14 *?.U15 *?.U16 *?.U17 *?.U18 *?.U19 *?.U20 *?.U21 *?.V1 *?.V2 *?.V3 *?.V5 *?.V8 *?.V10 *?.V12 *?.V15 *?.V17 *?.V19 *?.V20 *?.V21 C?.1@2354.18,2418.23 C?.1@4443.28,2463.49 C?.2@2307.91,2418.23 C?.2@2629.32,2418.23 C?.2@2709.66,2418.23 C?.2@2790.01,2418.23 C?.2@2870.36,2418.23 C?.2@3272.11,2418.23 C?.2@4155.97,2463.49 C?.2@4504.36,2092.37 C?.2@4584.71,2092.37 CN1.14 CN1.17 J1.7 J1.9 J1.10 J1.11 J1.12 J1.SH1 J1.SH2 JP?.1 R?.1@2273.84,2463.49 R?.1@3559.43,2463.49 R?.2@2147.22,2463.49 R?.2@2227.57,2463.49 R?.2@2388.26,2463.49 R?.2@4191.9,2543.84 U?.1@4176.31,3032.87 U?.2@4192.06,3032.87 U?.5 U?.18 U?.20 U?.21 U?.22 U?.23 U?.27 U?.28 U?.29 U?.31 U?.32 U?.33 U?.34 U?.36 U?.38 U?.39 U??.A1 U??.A2 U??.A7 U??.A8 U??.A9 U??.A10 U??.A11 U??.A12 U??.A13 U??.A14 U??.B1 U??.B7 U??.B8 U??.B9 U??.B10 U??.B11 U??.B12 U??.B13 U??.B14 U??.C1 U??.C2 U??.C3 U??.C5 U??.C7 U??.C8 U??.C9 U??.C10 U??.C11 U??.C12 U??.C13 U??.C14 U??.D1 U??.D2 U??.D3 U??.D4 U??.D12 U??.D13 U??.D14 U??.E1 U??.E2 U??.E3 U??.E5 U??.E8 U??.E9 U??.E10 U??.E12 U??.E13 U??.E14 U??.F1 U??.F2 U??.F3 U??.F10 U??.F12 U??.F13 U??.F14 U??.G1 U??.G2 U??.G3 U??.G10 U??.G12 U??.G13 U??.G14 U??.H1 U??.H2 U??.H3 U??.H12 U??.H13 U??.H14 U??.J1 U??.J2 U??.J3 U??.J12 U??.J13 U??.J14 U??.K1 U??.K2 U??.K3 U??.K6 U??.K7 U??.K10 U??.K12 U??.K13 U??.K14 U??.L1 U??.L2 U??.L3 U??.L12 U??.L13 U??.L14 U??.M1 U??.M2 U??.M3 U??.M7 U??.M8 U??.M9 U??.M10 U??.M11 U??.M12 U??.M13 U??.M14 U??.N1 U??.N3 U??.N6 U??.N7 U??.N8 U??.N9 U??.N10 U??.N11 U??.N12 U??.N13 U??.N14 U??.P1 U??.P2 U??.P7 U??.P8 U??.P9 U??.P10 U??.P11 U??.P12 U??.P13 U??.P14 USB1.3 USB1.9 USB2.5 USB2.6 USB2.8 USB2.9 USB2.14 USB2.15 USB2.17 USB2.18 USB?.3 USB?.4 USB?.9